# Altium PCB PM12_CFD.PcbDoc (part 11 of 12) (continued)
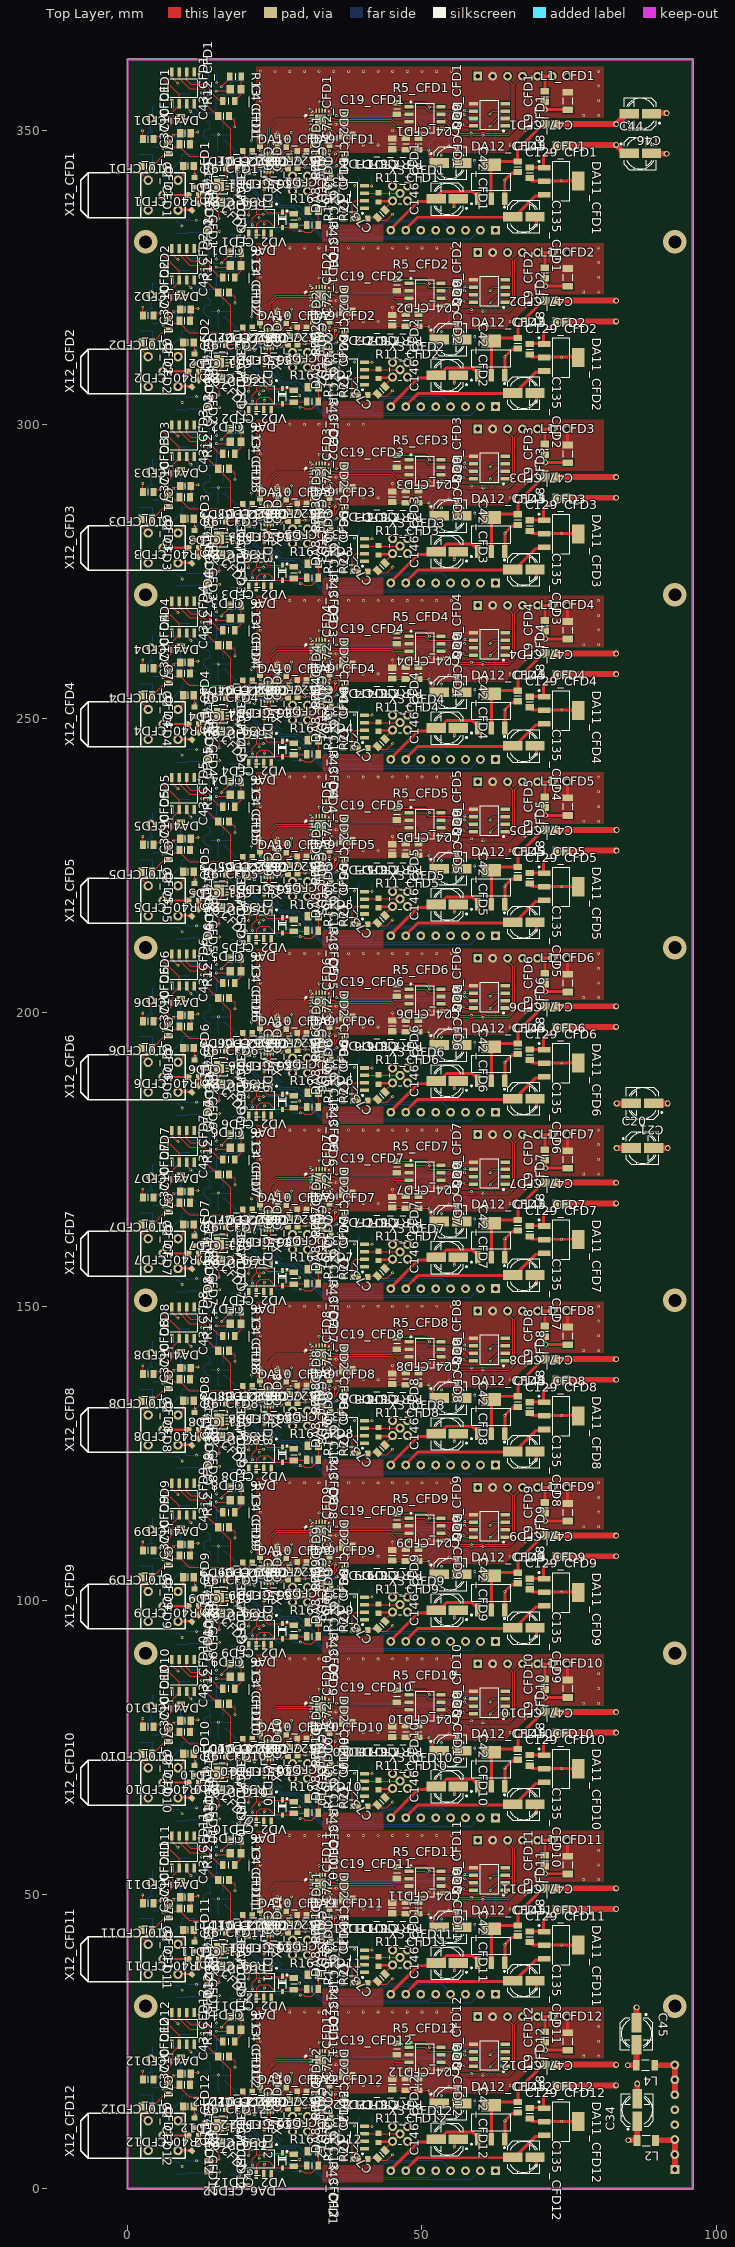
[diagram p0: Top Layer view]
## Polygon pours and split planes (outlines as drawn) (continued)
GND on Mid-Layer 2 "Mid-Layer 2-No Net 109" (solid, pour order 1160): 18,14.9 9.226,14.9 9.225,14.9 6.826,12.5 6.825,12.5 0.53,12.5 0.53,5.5 18,5.5
GND on Mid-Layer 2 "Mid-Layer 2-No Net 108" (solid, pour order 1161): 218 vertices, not listed, extent 21.6,8.98 33.3,13.8
GND on Mid-Layer 2 "Mid-Layer 2-No Net 103" (solid, pour order 1166): 218 vertices, not listed, extent 21.6,38.98 33.3,43.8
GND on Mid-Layer 2 "Mid-Layer 2-No Net 104" (solid, pour order 1165): 18,44.9 9.226,44.9 9.225,44.9 6.826,42.5 6.825,42.5 0.53,42.5 0.53,35.5 18,35.5
GND on Mid-Layer 2 "Mid-Layer 2-No Net 99" (solid, pour order 1170): 18,74.9 9.226,74.9 9.225,74.9 6.826,72.5 6.825,72.5 0.53,72.5 0.53,65.5 18,65.5
GND on Mid-Layer 2 "Mid-Layer 2-No Net 98" (solid, pour order 1171): 218 vertices, not listed, extent 21.6,68.98 33.3,73.8
GND on Mid-Layer 2 "Mid-Layer 2-No Net 93" (solid, pour order 1176): 218 vertices, not listed, extent 21.6,98.98 33.3,103.8
GND on Mid-Layer 2 "Mid-Layer 2-No Net 94" (solid, pour order 1175): 18,104.9 9.226,104.9 9.225,104.9 6.826,102.5 6.825,102.5 0.53,102.5 0.53,95.5 18,95.5
GND on Mid-Layer 2 "Mid-Layer 2-No Net 89" (solid, pour order 1180): 18,134.9 9.226,134.9 9.225,134.9 6.826,132.5 6.825,132.5 0.53,132.5 0.53,125.5 18,125.5
GND on Mid-Layer 2 "Mid-Layer 2-No Net 88" (solid, pour order 1181): 218 vertices, not listed, extent 21.6,128.98 33.3,133.8
GND on Mid-Layer 2 "Mid-Layer 2-No Net 83" (solid, pour order 1186): 218 vertices, not listed, extent 21.6,158.98 33.3,163.8
GND on Mid-Layer 2 "Mid-Layer 2-No Net 84" (solid, pour order 1185): 18,164.94 9.226,164.94 9.225,164.94 6.826,162.54 6.825,162.54 3.312,162.54 3.2,162.518 3.087,162.54 0.53,162.54 0.53,155.54 18,155.54
GND on Mid-Layer 2 "Mid-Layer 2-No Net 79" (solid, pour order 1190): 18,194.9 9.226,194.9 9.225,194.9 6.826,192.5 6.825,192.5 0.53,192.5 0.53,185.5 18,185.5
GND on Mid-Layer 2 "Mid-Layer 2-No Net 78" (solid, pour order 1191): 218 vertices, not listed, extent 21.6,188.98 33.3,193.8
GND on Mid-Layer 2 "Mid-Layer 2-No Net 74" (solid, pour order 1195): 18,224.9 9.226,224.9 9.225,224.9 6.826,222.5 6.825,222.5 0.53,222.5 0.53,215.5 18,215.5
GND on Mid-Layer 2 "Mid-Layer 2-No Net 73" (solid, pour order 1196): 218 vertices, not listed, extent 21.6,218.98 33.3,223.8
GND on Mid-Layer 2 "Mid-Layer 2-No Net 69" (solid, pour order 1200): 18,254.9 9.226,254.9 9.225,254.9 6.826,252.5 6.825,252.5 0.53,252.5 0.53,245.5 18,245.5
GND on Mid-Layer 2 "Mid-Layer 2-No Net 68" (solid, pour order 1201): 122 vertices, not listed, extent 21.6,249.23 33.3,253.8
GND on Mid-Layer 2 "Mid-Layer 2-No Net 54" (solid, pour order 1268): 17.97,344.9 9.196,344.9 9.195,344.9 6.796,342.5 6.795,342.5 0.5,342.5 0.5,335.5 17.97,335.5
GND on Mid-Layer 2 "Mid-Layer 2-No Net 53" (solid, pour order 1267): 122 vertices, not listed, extent 21.57,339.23 33.27,343.8
DA10_LE_CFD1 on Mid-Layer 2 "Mid-Layer 2-No Net 51" (solid, pour order 1216): 319 vertices, not listed, extent 27.46,345.76 35.51,346.64
P1V3_CFD1 on Mid-Layer 2 "Mid-Layer 2-No Net 52" (solid, pour order 1215): 448 vertices, not listed, extent 25.81,343.96 36.14,347.05
P1V3_CFD2 on Mid-Layer 2 "Mid-Layer 2-No Net 57" (solid, pour order 1212): 448 vertices, not listed, extent 25.84,313.96 36.17,317.05
GND on Mid-Layer 2 "Mid-Layer 2-No Net 59" (solid, pour order 1210): 18,314.9 9.226,314.9 9.225,314.9 6.826,312.5 6.825,312.5 0.53,312.5 0.53,305.5 18,305.5
GND on Mid-Layer 2 "Mid-Layer 2-No Net 63" (solid, pour order 1206): 122 vertices, not listed, extent 21.6,279.23 33.3,283.8
GND on Mid-Layer 2 "Mid-Layer 2-No Net 64" (solid, pour order 1205): 18,284.9 9.226,284.9 9.225,284.9 6.826,282.5 6.825,282.5 0.53,282.5 0.53,275.5 18,275.5
P1V3_CFD5 on Mid-Layer 2 "Mid-Layer 2-No Net 72" (solid, pour order 1197): 448 vertices, not listed, extent 25.84,223.96 36.17,227.05
DA8_CFD1_N on Mid-Layer 2 "Mid-Layer 2-No Net 55" (solid, pour order 1214): 274 vertices, not listed, extent 44.73,332.4 63.07,335.94
DA8_CFD4_N on Mid-Layer 2 "Mid-Layer 2-No Net 70" (solid, pour order 1199): 186 vertices, not listed, extent 44.76,242.4 63.1,245.94
P3V3_CFD11 on Mid-Layer 3 "Mid-Layer 3-No Net 1522" (solid, pour order 1307): 675 vertices, not listed, extent 21.875,31.225 80.775,60.975
P3V3_CFD2 on Mid-Layer 3 "Mid-Layer 3-No Net 1531" (solid, pour order 1298): 438 vertices, not listed, extent 21.875,301.225 80.775,330.975
P5V0_CFD2 on Mid-Layer 3 "Mid-Layer 3-No Net 1542" (solid, pour order 1287): 1687 vertices, not listed, extent 0.5,301.225 48.375,330.975
P3V3_CFD4 on Mid-Layer 3 "Mid-Layer 3-No Net 1529" (solid, pour order 1300): 693 vertices, not listed, extent 21.875,241.225 80.775,270.975
P5V0_CFD12 on Mid-Layer 3 "Mid-Layer 3-No Net 1532" (solid, pour order 1297): 1585 vertices, not listed, extent 0.5,1.225 48.375,30.975
GND on Mid-Layer 3 "Mid-Layer 3-No Net 1544" (solid, pour order 1285): 122 vertices, not listed, extent 0.5,5.6 17.9,14.8
P3V3_CFD12 on Mid-Layer 3 "Mid-Layer 3-No Net 1521" (solid, pour order 1308): 675 vertices, not listed, extent 21.875,1.225 80.775,30.975
P5V0_CFD11 on Mid-Layer 3 "Mid-Layer 3-No Net 1533" (solid, pour order 1296): 1582 vertices, not listed, extent 0.5,31.225 48.375,60.975
GND on Mid-Layer 3 "Mid-Layer 3-No Net 1545" (solid, pour order 1284): 122 vertices, not listed, extent 0.5,35.6 17.9,44.8
P5V0_CFD10 on Mid-Layer 3 "Mid-Layer 3-No Net 1534" (solid, pour order 1295): 1586 vertices, not listed, extent 0.5,61.225 48.375,90.975
GND on Mid-Layer 3 "Mid-Layer 3-No Net 1546" (solid, pour order 1283): 122 vertices, not listed, extent 0.5,65.6 17.9,74.8
P3V3_CFD10 on Mid-Layer 3 "Mid-Layer 3-No Net 1523" (solid, pour order 1306): 693 vertices, not listed, extent 21.875,61.225 80.775,90.975
P3V3_CFD9 on Mid-Layer 3 "Mid-Layer 3-No Net 1524" (solid, pour order 1305): 675 vertices, not listed, extent 21.875,91.225 80.775,120.975
P5V0_CFD9 on Mid-Layer 3 "Mid-Layer 3-No Net 1535" (solid, pour order 1294): 1582 vertices, not listed, extent 0.5,91.225 48.375,120.975
GND on Mid-Layer 3 "Mid-Layer 3-No Net 1547" (solid, pour order 1282): 122 vertices, not listed, extent 0.5,95.6 17.9,104.8
P5V0_CFD8 on Mid-Layer 3 "Mid-Layer 3-No Net 1536" (solid, pour order 1293): 1586 vertices, not listed, extent 0.5,121.225 48.375,150.975
GND on Mid-Layer 3 "Mid-Layer 3-No Net 1548" (solid, pour order 1281): 122 vertices, not listed, extent 0.5,125.6 17.9,134.8
P3V3_CFD8 on Mid-Layer 3 "Mid-Layer 3-No Net 1525" (solid, pour order 1304): 675 vertices, not listed, extent 21.875,121.225 80.775,150.975
P3V3_CFD7 on Mid-Layer 3 "Mid-Layer 3-No Net 1526" (solid, pour order 1303): 676 vertices, not listed, extent 21.875,151.225 80.775,180.975
P5V0_CFD7 on Mid-Layer 3 "Mid-Layer 3-No Net 1537" (solid, pour order 1292): 1544 vertices, not listed, extent 0.5,151.225 48.375,180.975
GND on Mid-Layer 3 "Mid-Layer 3-No Net 1549" (solid, pour order 1280): 122 vertices, not listed, extent 0.5,155.64 17.9,164.84
P5V0_CFD6 on Mid-Layer 3 "Mid-Layer 3-No Net 1538" (solid, pour order 1291): 1586 vertices, not listed, extent 0.5,181.225 48.375,210.975
GND on Mid-Layer 3 "Mid-Layer 3-No Net 1550" (solid, pour order 1279): 122 vertices, not listed, extent 0.5,185.6 17.9,194.8
P3V3_CFD6 on Mid-Layer 3 "Mid-Layer 3-No Net 1527" (solid, pour order 1302): 675 vertices, not listed, extent 21.875,181.225 80.775,210.975
P3V3_CFD5 on Mid-Layer 3 "Mid-Layer 3-No Net 1528" (solid, pour order 1301): 675 vertices, not listed, extent 21.875,211.225 80.775,240.975
P5V0_CFD5 on Mid-Layer 3 "Mid-Layer 3-No Net 1539" (solid, pour order 1290): 1582 vertices, not listed, extent 0.5,211.225 48.375,240.975
GND on Mid-Layer 3 "Mid-Layer 3-No Net 1551" (solid, pour order 1278): 122 vertices, not listed, extent 0.5,215.6 17.9,224.8
GND on Mid-Layer 3 "Mid-Layer 3-No Net 1552" (solid, pour order 1277): 122 vertices, not listed, extent 0.5,245.6 17.9,254.8
P5V0_CFD4 on Mid-Layer 3 "Mid-Layer 3-No Net 1540" (solid, pour order 1289): 1587 vertices, not listed, extent 0.5,241.225 48.375,270.975
P5V5 on Mid-Layer 3 "Mid-Layer 3-No Net 1519" (solid, pour order 1310): 119 vertices, not listed, extent 81.025,0.5 95.5,361.5
P3V3_CFD1 on Mid-Layer 3 "Mid-Layer 3-No Net 1520" (solid, pour order 1309): 470 vertices, not listed, extent 0.5,331.225 80.775,361.5
P3V3_CFD3 on Mid-Layer 3 "Mid-Layer 3-No Net 1530" (solid, pour order 1299): 420 vertices, not listed, extent 21.875,271.225 80.775,300.975
P5V0_CFD3 on Mid-Layer 3 "Mid-Layer 3-No Net 1541" (solid, pour order 1288): 1686 vertices, not listed, extent 0.5,271.225 48.375,300.975
P5V0_CFD1 on Mid-Layer 3 "Mid-Layer 3-No Net 1543" (solid, pour order 1286): 1703 vertices, not listed, extent 0.5,331.225 48.375,360.775
GND on Mid-Layer 3 "Mid-Layer 3-No Net 1553" (solid, pour order 1276): 122 vertices, not listed, extent 0.5,275.6 17.9,284.8
GND on Mid-Layer 3 "Mid-Layer 3-No Net 1554" (solid, pour order 1275): 122 vertices, not listed, extent 0.5,305.6 17.9,314.8
GND on Mid-Layer 3 "Mid-Layer 3-No Net 1555" (solid, pour order 1274): 122 vertices, not listed, extent 0.5,335.6 17.87,344.8
no net on Mid-Layer 3 "Mid-Layer 3-No Net 1556" (solid, pour order 1273): 109 vertices, not listed, extent 0.5,0.5 80.775,0.975
P1V3_CFD11 on Mid-Layer 4 "Mid-Layer 4-No Net 1452" (solid, pour order 2857): 725 vertices, not listed, extent 26.725,31.225 60.622,60.975
GND on Mid-Layer 4 "Mid-Layer 4-No Net 1438" (solid, pour order 2871): 264 vertices, not listed, extent 0.5,0.5 80.775,361.5
N5V0_CFD2 on Mid-Layer 4 "Mid-Layer 4-No Net 1450" (solid, pour order 2859): 1056 vertices, not listed, extent 0.5,301.225 48.375,330.975
P1V3_CFD2 on Mid-Layer 4 "Mid-Layer 4-No Net 1461" (solid, pour order 2848): 710 vertices, not listed, extent 26.725,301.225 60.622,330.975
N5V0_CFD12 on Mid-Layer 4 "Mid-Layer 4-No Net 1440" (solid, pour order 2869): 1056 vertices, not listed, extent 0.5,1.225 48.375,30.975
GND on Mid-Layer 4 "Mid-Layer 4-No Net 1464" (solid, pour order 2845): 122 vertices, not listed, extent 0.5,5.6 17.9,14.8
P1V3_CFD12 on Mid-Layer 4 "Mid-Layer 4-No Net 1462" (solid, pour order 2847): 700 vertices, not listed, extent 26.725,1.225 60.573,30.975
N5V0_CFD11 on Mid-Layer 4 "Mid-Layer 4-No Net 1441" (solid, pour order 2868): 1052 vertices, not listed, extent 0.5,31.225 48.375,60.975
GND on Mid-Layer 4 "Mid-Layer 4-No Net 1465" (solid, pour order 2844): 122 vertices, not listed, extent 0.5,35.6 17.9,44.8
N5V0_CFD10 on Mid-Layer 4 "Mid-Layer 4-No Net 1442" (solid, pour order 2867): 1056 vertices, not listed, extent 0.5,61.225 48.375,90.975
GND on Mid-Layer 4 "Mid-Layer 4-No Net 1466" (solid, pour order 2843): 122 vertices, not listed, extent 0.5,65.6 17.9,74.8
P1V3_CFD10 on Mid-Layer 4 "$Net177" (solid, pour order 2856): 725 vertices, not listed, extent 26.725,61.225 60.622,90.975
P1V3_CFD9 on Mid-Layer 4 "Mid-Layer 4-No Net 1454" (solid, pour order 2855): 708 vertices, not listed, extent 26.725,91.225 60.622,120.975
N5V0_CFD9 on Mid-Layer 4 "Mid-Layer 4-No Net 1443" (solid, pour order 2866): 1052 vertices, not listed, extent 0.5,91.225 48.375,120.975
GND on Mid-Layer 4 "Mid-Layer 4-No Net 1467" (solid, pour order 2842): 122 vertices, not listed, extent 0.5,95.6 17.9,104.8
N5V0_CFD8 on Mid-Layer 4 "Mid-Layer 4-No Net 1444" (solid, pour order 2865): 1056 vertices, not listed, extent 0.5,121.225 48.375,150.975
GND on Mid-Layer 4 "Mid-Layer 4-No Net 1468" (solid, pour order 2841): 122 vertices, not listed, extent 0.5,125.6 17.9,134.8
P1V3_CFD8 on Mid-Layer 4 "Mid-Layer 4-No Net 1455" (solid, pour order 2854): 708 vertices, not listed, extent 26.725,121.225 60.622,150.975
P1V3_CFD7 on Mid-Layer 4 "Mid-Layer 4-No Net 1456" (solid, pour order 2853): 709 vertices, not listed, extent 26.725,151.225 60.622,180.975
N5V0_CFD7 on Mid-Layer 4 "Mid-Layer 4-No Net 1445" (solid, pour order 2864): 1014 vertices, not listed, extent 0.5,151.225 48.375,180.975
GND on Mid-Layer 4 "Mid-Layer 4-No Net 1469" (solid, pour order 2840): 122 vertices, not listed, extent 0.5,155.64 17.9,164.84
N5V0_CFD6 on Mid-Layer 4 "Mid-Layer 4-No Net 1446" (solid, pour order 2863): 1056 vertices, not listed, extent 0.5,181.225 48.375,210.975
GND on Mid-Layer 4 "Mid-Layer 4-No Net 1470" (solid, pour order 2839): 122 vertices, not listed, extent 0.5,185.6 17.9,194.8
P1V3_CFD6 on Mid-Layer 4 "Mid-Layer 4-No Net 1457" (solid, pour order 2852): 708 vertices, not listed, extent 26.725,181.225 60.622,210.975
N5V0_CFD5 on Mid-Layer 4 "Mid-Layer 4-No Net 1447" (solid, pour order 2862): 1052 vertices, not listed, extent 0.5,211.225 48.375,240.975
P1V3_CFD5 on Mid-Layer 4 "Mid-Layer 4-No Net 1458" (solid, pour order 2851): 708 vertices, not listed, extent 26.725,211.225 60.622,240.975
GND on Mid-Layer 4 "Mid-Layer 4-No Net 1471" (solid, pour order 2838): 122 vertices, not listed, extent 0.5,215.6 17.9,224.8
GND on Mid-Layer 4 "Mid-Layer 4-No Net 1472" (solid, pour order 2837): 122 vertices, not listed, extent 0.5,245.6 17.9,254.8
P1V3_CFD4 on Mid-Layer 4 "Mid-Layer 4-No Net 1459" (solid, pour order 2850): 708 vertices, not listed, extent 26.725,241.225 60.622,270.975
N5V0_CFD4 on Mid-Layer 4 "Mid-Layer 4-No Net 1448" (solid, pour order 2861): 1056 vertices, not listed, extent 0.5,241.225 48.375,270.975
N5V5 on Mid-Layer 4 "Mid-Layer 4-No Net 1439" (solid, pour order 2870): 107 vertices, not listed, extent 81.025,0.5 95.5,361.5
N5V0_CFD3 on Mid-Layer 4 "Mid-Layer 4-No Net 1449" (solid, pour order 2860): 1052 vertices, not listed, extent 0.5,271.225 48.375,300.975
N5V0_CFD1 on Mid-Layer 4 "Mid-Layer 4-No Net 1451" (solid, pour order 2858): 1053 vertices, not listed, extent 0.5,331.225 48.375,360.775
P1V3_CFD3 on Mid-Layer 4 "Mid-Layer 4-No Net 1460" (solid, pour order 2849): 709 vertices, not listed, extent 26.725,271.225 60.622,300.975
P1V3_CFD1 on Mid-Layer 4 "Mid-Layer 4-No Net 1463" (solid, pour order 2846): 741 vertices, not listed, extent 26.725,331.225 60.622,360.775
GND on Mid-Layer 4 "Mid-Layer 4-No Net 1473" (solid, pour order 2836): 122 vertices, not listed, extent 0.5,275.6 17.9,284.8
GND on Mid-Layer 4 "Mid-Layer 4-No Net 1474" (solid, pour order 2835): 122 vertices, not listed, extent 0.5,305.6 17.9,314.8
GND on Mid-Layer 4 "Mid-Layer 4-No Net 1475" (solid, pour order 2834): 122 vertices, not listed, extent 0.5,335.6 17.87,344.8

## Keep-outs
Keep-Out Layer:
  lines w0.25: 0,0 0,362 ; 0,0 96,0 ; 0,0 0,362 ; 0,0 96,0 ; 0,362 96,362 ; 0,362 96,362 ; 96,0 96,362 ; 96,0 96,362

## Other copper
Mid-Layer 1:
  pour cut-out: 41.9,9.8 41.9,9 41.6,8.7 41.6,7.2 39,7.2 39,6.3 39.6,6.3 40.1,5.8 40.1,4.2 39.9,4 36.5,4 36.2,4.3 36.2,8.3 36,8.5 33.9,8.5 33.9,9.8
  pour cut-out: 32.4,13.6 32.8,13.6 32.8,12.4 31.1,10.7 29.954,10.7 29.954,11.2 31,11.2 32.4,12.6 32.4,13.6
  pour cut-out: 24,13.6 24.5,13.6 24.5,11.1 24,11.1
  pour cut-out: 13.8,12.3 17.2,12.3 17.2,9.1 13.8,9.1
  pour cut-out: 41.9,39.8 41.9,39 41.6,38.7 41.6,37.2 39,37.2 39,36.3 39.6,36.3 40.1,35.8 40.1,34.2 39.9,34 36.5,34 36.2,34.3 36.2,38.3 36,38.5 33.9,38.5 33.9,39.8
  pour cut-out: 32.4,43.6 32.8,43.6 32.8,42.4 31.1,40.7 29.954,40.7 29.954,41.2 31,41.2 32.4,42.6
  pour cut-out: 24,43.6 24.5,43.6 24.5,41.1 24,41.1
  pour cut-out: 13.8,42.3 17.2,42.3 17.2,39.1 13.8,39.1
  pour cut-out: 41.9,69.8 41.9,69 41.6,68.7 41.6,67.2 39,67.2 39,66.3 39.6,66.3 40.1,65.8 40.1,64.2 39.9,64 36.5,64 36.2,64.3 36.2,68.3 36,68.5 33.9,68.5 33.9,69.8
  pour cut-out: 32.4,73.6 32.8,73.6 32.8,72.4 31.1,70.7 29.954,70.7 29.954,71.2 31,71.2 32.4,72.6
  pour cut-out: 24,73.6 24.5,73.6 24.5,71.1 24,71.1
  pour cut-out: 17.2,69.1 17.2,72.3 13.8,72.3 13.8,69.1
  pour cut-out: 41.9,99.8 41.9,99 41.6,98.7 41.6,97.2 39,97.2 39,96.3 39.6,96.3 40.1,95.8 40.1,94.2 39.9,94 36.5,94 36.2,94.3 36.2,98.3 36,98.5 33.9,98.5 33.9,99.8
  pour cut-out: 32.4,103.6 32.8,103.6 32.8,102.4 31.1,100.7 29.954,100.7 29.954,101.2 31,101.2 32.4,102.6
  pour cut-out: 24,103.6 24.5,103.6 24.5,101.1 24,101.1
  pour cut-out: 13.8,102.3 17.2,102.3 17.2,99.1 13.8,99.1
  pour cut-out: 33.9,129.8 41.9,129.8 41.9,129 41.6,128.7 41.6,127.2 39,127.2 39,126.3 39.6,126.3 40.1,125.8 40.1,124.2 39.9,124 36.5,124 36.2,124.3 36.2,128.3 36,128.5 33.9,128.5
  pour cut-out: 32.4,133.6 32.8,133.6 32.8,132.4 31.1,130.7 29.961,130.7 29.954,130.693 29.954,131.2 31,131.2 32.4,132.6 32.4,133.6
  pour cut-out: 24,133.6 24.5,133.6 24.5,131.1 24,131.1
  pour cut-out: 13.8,132.3 17.2,132.3 17.2,129.1 13.8,129.1
  pour cut-out: 33.9,159.8 41.9,159.8 41.9,159 41.6,158.7 41.6,157.2 39,157.2 39,156.3 39.6,156.3 40.1,155.8 40.1,154.2 39.9,154 36.5,154 36.2,154.3 36.2,158.3 36,158.5 33.9,158.5
  pour cut-out: 32.4,163.6 32.8,163.6 32.8,162.4 31.1,160.7 29.958,160.7 29.954,160.696 29.954,161.2 31,161.2 32.4,162.6 32.4,163.6
  pour cut-out: 24,163.6 24.5,163.6 24.5,161.1 24,161.1
  pour cut-out: 13.8,162.3 17.2,162.3 17.2,159.1 13.8,159.1
  pour cut-out: 41.9,189.8 41.9,189 41.6,188.7 41.6,187.2 39,187.2 39,186.3 39.6,186.3 40.1,185.8 40.1,184.2 39.9,184 36.5,184 36.2,184.3 36.2,188.3 36,188.5 33.9,188.5 33.9,189.8
  pour cut-out: 32.4,193.6 32.8,193.6 32.8,192.4 31.1,190.7 29.958,190.7 29.954,190.696 29.954,191.2 31,191.2 32.4,192.6
  pour cut-out: 24,193.6 24.5,193.6 24.5,191.1 24,191.1
  pour cut-out: 13.8,192.3 17.2,192.3 17.2,189.1 13.8,189.1
  pour cut-out: 33.9,219.8 41.9,219.8 41.9,219 41.6,218.7 41.6,217.2 39,217.2 39,216.3 39.6,216.3 40.1,215.8 40.1,214.2 39.9,214 36.5,214 36.2,214.3 36.2,218.3 36,218.5 33.9,218.5
  pour cut-out: 32.4,223.6 32.8,223.6 32.8,222.4 31.1,220.7 29.954,220.7 29.954,221.2 31,221.2 32.4,222.6
  pour cut-out: 24,223.6 24.5,223.6 24.5,221.1 24,221.1
  pour cut-out: 13.8,222.3 17.2,222.3 17.2,219.1 13.8,219.1
  pour cut-out: 33.9,249.8 41.9,249.8 41.9,249 41.6,248.7 41.6,247.2 39,247.2 39,246.3 39.6,246.3 40.1,245.8 40.1,244.2 39.9,244 36.5,244 36.2,244.3 36.2,248.3 36,248.5 33.9,248.5
  pour cut-out: 32.4,253.6 32.8,253.6 32.8,252.4 31.1,250.7 29.954,250.7 29.954,251.2 31,251.2 32.4,252.6 32.4,253.6
  pour cut-out: 24,253.6 24.5,253.6 24.5,251.1 24,251.1
  pour cut-out: 13.8,252.3 17.2,252.3 17.2,249.1 13.8,249.1
  pour cut-out: 33.9,279.8 41.9,279.8 41.9,279 41.6,278.7 41.6,277.2 39,277.2 39,276.3 39.6,276.3 40.1,275.8 40.1,274.2 39.9,274 36.5,274 36.2,274.3 36.2,278.3 36,278.5 33.9,278.5
  pour cut-out: 32.4,283.6 32.8,283.6 32.8,282.4 31.1,280.7 29.954,280.7 29.954,281.2 31,281.2 32.4,282.6
  pour cut-out: 24,283.6 24.5,283.6 24.5,281.1 24,281.1
  pour cut-out: 13.8,282.3 17.2,282.3 17.2,279.1 13.8,279.1
  pour cut-out: 33.9,309.8 41.9,309.8 41.9,309 41.6,308.7 41.6,307.2 39,307.2 39,306.3 39.6,306.3 40.1,305.8 40.1,304.2 39.9,304 36.5,304 36.2,304.3 36.2,308.3 36,308.5 33.9,308.5
  pour cut-out: 29.954,311.2 29.954,310.7 31.1,310.7 32.8,312.4 32.8,313.6 32.4,313.6 32.4,312.6 31,311.2 29.954,311.2
  pour cut-out: 24,313.6 24.5,313.6 24.5,311.1 24,311.1
  pour cut-out: 13.8,312.3 17.2,312.3 17.2,309.1 13.8,309.1
  pour cut-out: 33.9,339.8 33.9,338.5 36,338.5 36.2,338.3 36.2,334.3 36.5,334 39.9,334 40.1,334.2 40.1,335.8 39.6,336.3 39,336.3 39,337.2 41.6,337.2 41.6,338.7 41.9,339 41.9,339.8 41.881,339.819 33.881,339.819
  pour cut-out: 29.924,341.2 31,341.2 32.4,342.6 32.4,343.6 32.8,343.6 32.8,342.4 31.1,340.7 29.924,340.7 29.924,341.2 30.462,341.2
  pour cut-out: 24,343.6 24.5,343.6 24.5,341.1 24,341.1
  pour cut-out: 13.8,342.3 17.2,342.3 17.2,339.1 13.8,339.1
Mid-Layer 2:
  pour cut-out: 13.751,12.3 17.151,12.3 17.151,9.1 13.751,9.1
  pour cut-out: 13.8,42.3 17.2,42.3 17.2,39.1 13.8,39.1
  pour cut-out: 13.8,72.3 17.2,72.3 17.2,69.1 13.8,69.1
  pour cut-out: 13.8,102.3 17.2,102.3 17.2,99.1 13.8,99.1
  pour cut-out: 13.8,132.3 17.2,132.3 17.2,129.1 13.8,129.1
  pour cut-out: 15.5,162.3 17.2,162.3 17.2,159.1 13.8,159.1 13.8,162.3
  pour cut-out: 13.8,192.3 17.2,192.3 17.2,189.1 13.8,189.1
  pour cut-out: 13.8,222.3 17.2,222.3 17.2,219.1 13.8,219.1
  pour cut-out: 13.8,252.3 17.2,252.3 17.2,249.1 13.8,249.1
  pour cut-out: 13.8,282.3 17.2,282.3 17.2,279.1 13.8,279.1
  pour cut-out: 13.8,312.3 17.2,312.3 17.2,309.1 13.8,309.1
  pour cut-out: 13.8,342.3 17.2,342.3 17.2,339.1 13.8,339.1 13.8,342.272 13.773,342.3
Mid-Layer 3:
  pour cut-out: 13.8,102.3 17.2,102.3 17.2,99.1 13.8,99.1
  pour cut-out: 41.9,9.8 41.9,9 41.6,8.7 41.6,7.2 39,7.2 39,6.3 39.6,6.3 40.1,5.8 40.1,4.2 39.9,4 36.5,4 36.2,4.3 36.2,8.3 36,8.5 33.9,8.5 33.9,9.8
  pour cut-out: 47.042,11 48.038,10.004 48.038,8.52 47.08,7.562 47.08,7.5 45.52,7.5 44.53,8.49 44.53,10.05 45.48,11 45.558,11
  pour cut-out: 29.3,12.68 30.042,12.68 31.03,11.692 31.03,10.208 30.08,9.258 30.08,9.18 28.52,9.18 27.53,10.17 27.53,11.73 28.48,12.68 29.3,12.68
  pour cut-out: 13.8,12.3 17.2,12.3 17.2,9.1 13.8,9.1
  pour cut-out: 41.9,39.8 41.9,39 41.6,38.7 41.6,37.2 39,37.2 39,36.3 39.6,36.3 40.1,35.8 40.1,34.2 39.9,34 36.5,34 36.2,34.3 36.2,38.3 36,38.5 33.9,38.5 33.9,39.8
  pour cut-out: 46.3,41 47.042,41 48.03,40.012 48.03,38.45 47.08,37.5 45.52,37.5 44.53,38.49 44.53,40.05 44.608,40.05 45.558,41
  pour cut-out: 29.3,42.68 30.042,42.68 31.03,41.692 31.03,40.208 30.08,39.258 30.08,39.18 28.52,39.18 27.53,40.17 27.53,41.73 28.48,42.68 29.3,42.68
  pour cut-out: 13.8,42.3 13.8,39.1 17.2,39.1 17.2,42.3
  pour cut-out: 41.9,69.8 41.9,69 41.6,68.7 41.6,67.2 39,67.2 39,66.3 39.6,66.3 40.1,65.8 40.1,64.2 39.9,64 36.5,64 36.2,64.3 36.2,68.3 36,68.5 33.9,68.5 33.9,69.8
  pour cut-out: 46.3,71 47.042,71 48.03,70.012 48.03,68.45 47.08,67.5 45.52,67.5 44.53,68.49 44.53,70.05 44.608,70.05 45.558,71
  pour cut-out: 30.042,72.68 31.03,71.692 31.03,70.208 30.08,69.258 30.08,69.18 28.52,69.18 27.53,70.17 27.53,71.73 28.48,72.68 28.558,72.68
  pour cut-out: 13.8,72.3 17.2,72.3 17.2,69.1 13.8,69.1
  pour cut-out: 41.9,99.8 41.9,99 41.6,98.7 41.6,97.2 39,97.2 39,96.3 39.6,96.3 40.1,95.8 40.1,94.2 39.9,94 36.5,94 36.2,94.3 36.2,98.3 36,98.5 33.9,98.5 33.9,99.8
  pour cut-out: 46.3,101 47.042,101 48.03,100.012 48.03,98.45 47.08,97.5 45.52,97.5 44.53,98.49 44.53,100.05 44.608,100.05 45.558,101
  pour cut-out: 30.042,102.68 31.03,101.692 31.03,100.208 30.08,99.258 30.08,99.18 28.52,99.18 27.53,100.17 27.53,101.73 28.48,102.68 28.558,102.68
  pour cut-out: 33.9,129.8 41.9,129.8 41.9,129 41.6,128.7 41.6,127.2 39,127.2 39,126.3 39.6,126.3 40.1,125.8 40.1,124.2 39.9,124 36.5,124 36.2,124.3 36.2,128.3 36,128.5 33.9,128.5
  pour cut-out: 47.042,131 48.03,130.013 48.03,128.45 47.08,127.5 45.52,127.5 44.53,128.49 44.53,130.05 44.608,130.05 45.558,131
  pour cut-out: 29.3,132.68 30.042,132.68 31.03,131.692 31.03,130.13 30.08,129.18 28.52,129.18 27.53,130.17 27.53,131.73 27.608,131.73 28.558,132.68
  pour cut-out: 13.8,132.3 13.8,129.1 17.2,129.1 17.2,132.3
  pour cut-out: 33.9,159.8 41.9,159.8 41.9,159 41.6,158.7 41.6,157.2 39,157.2 39,156.3 39.6,156.3 40.1,155.8 40.1,154.2 39.9,154 36.5,154 36.2,154.3 36.2,158.3 36,158.5 33.9,158.5
  pour cut-out: 47.042,161 48.03,160.012 48.03,158.528 47.08,157.578 47.08,157.5 45.52,157.5 44.53,158.49 44.53,160.05 45.48,161 45.558,161
  pour cut-out: 29.3,162.68 30.042,162.68 31.03,161.692 31.03,160.13 30.08,159.18 28.52,159.18 27.53,160.17 27.53,161.73 27.608,161.73 28.558,162.68
  pour cut-out: 13.8,162.3 17.2,162.3 17.2,159.1 13.8,159.1
  pour cut-out: 41.9,189.8 41.9,189 41.6,188.7 41.6,187.2 39,187.2 39,186.3 39.6,186.3 40.1,185.8 40.1,184.2 39.9,184 36.5,184 36.2,184.3 36.2,188.3 36,188.5 33.9,188.5 33.9,189.8
  pour cut-out: 46.3,191 47.042,191 48.03,190.012 48.03,188.45 47.08,187.5 45.52,187.5 44.53,188.49 44.53,190.05 44.608,190.05 45.558,191
  pour cut-out: 29.3,192.68 30.042,192.68 31.03,191.692 31.03,190.208 30.08,189.258 30.08,189.18 28.52,189.18 27.53,190.17 27.53,191.73 28.48,192.68 29.3,192.68
  pour cut-out: 13.8,192.3 17.2,192.3 17.2,189.1 13.8,189.1
  pour cut-out: 33.9,219.8 41.9,219.8 41.9,219 41.6,218.7 41.6,217.2 39,217.2 39,216.3 39.6,216.3 40.1,215.8 40.1,214.2 39.9,214 36.5,214 36.2,214.3 36.2,218.3 36,218.5 33.9,218.5
  pour cut-out: 46.3,221 47.042,221 48.03,220.012 48.03,218.45 47.077,217.496 45.516,217.496 45.516,217.504 44.53,218.49 44.53,220.05 44.608,220.05 45.558,221
  pour cut-out: 29.3,222.68 30.042,222.68 30.046,222.684 31.03,221.7 31.03,220.208 30.08,219.258 30.08,219.18 28.52,219.18 27.53,220.17 27.53,221.73 27.526,221.734 28.473,222.68 29.3,222.68
  pour cut-out: 13.8,222.3 17.2,222.3 17.2,219.1 13.8,219.1
  pour cut-out: 33.9,249.8 41.9,249.8 41.9,249 41.6,248.7 41.6,247.2 39,247.2 39,246.3 39.6,246.3 40.1,245.8 40.1,244.2 39.9,244 36.5,244 36.2,244.3 36.2,248.3 36,248.5 33.9,248.5
  pour cut-out: 46.3,251 47.042,251 48.03,250.012 48.03,248.45 47.08,247.5 45.52,247.5 44.53,248.49 44.53,250.05 44.608,250.05 45.558,251
  pour cut-out: 30.041,252.68 30.05,252.688 31.03,251.708 31.03,250.208 30.08,249.258 30.08,249.18 28.52,249.18 27.53,250.17 27.53,251.73 28.48,252.68 28.558,252.68
  pour cut-out: 13.8,252.3 17.2,252.3 17.2,249.1 13.8,249.1
  pour cut-out: 33.9,279.8 41.9,279.8 41.9,279 41.6,278.7 41.6,277.2 39,277.2 39,276.3 39.6,276.3 40.1,275.8 40.1,274.2 39.9,274 36.5,274 36.2,274.3 36.2,278.3 36,278.5 33.9,278.5
  pour cut-out: 47.042,281 48.03,280.012 48.03,278.528 47.08,277.578 47.08,277.5 45.52,277.5 44.53,278.49 44.53,280.05 45.48,281 45.558,281
  pour cut-out: 30.043,282.68 31.034,281.688 31.034,280.134 30.08,279.18 28.52,279.18 27.53,280.17 27.53,281.73 27.608,281.73 28.558,282.68
  pour cut-out: 13.8,282.3 17.2,282.3 17.2,279.1 13.8,279.1
  pour cut-out: 47.042,311 48.03,310.012 48.03,308.45 47.08,307.5 45.485,307.5 44.513,308.472 44.53,308.488 44.53,310.05 45.48,311 45.558,311
  pour cut-out: 33.9,309.8 41.9,309.8 41.9,309 41.6,308.7 41.6,307.2 39,307.2 39,306.3 39.6,306.3 40.1,305.8 40.1,304.2 39.9,304 36.5,304 36.2,304.3 36.2,308.3 36,308.5 33.9,308.5
  pour cut-out: 28.558,312.68 30.042,312.68 31.03,311.692 31.03,310.13 30.078,309.178 28.518,309.178 28.518,309.182 27.53,310.17 27.53,311.73 27.608,311.73
  pour cut-out: 13.8,312.3 17.2,312.3 17.2,309.1 13.8,309.1
  pour cut-out: 47.012,341 48,340.012 48,338.528 47.05,337.578 47.05,337.5 45.49,337.5 44.5,338.49 44.5,340.05 45.45,341 45.528,341
  pour cut-out: 33.9,339.8 33.9,338.5 36,338.5 36.2,338.3 36.2,334.3 36.5,334 39.9,334 40.1,334.2 40.1,335.8 39.6,336.3 39,336.3 39,337.2 41.6,337.2 41.6,338.7 41.9,339 41.9,339.8 41.881,339.819 33.881,339.819
  pour cut-out: 29.27,342.68 30.012,342.68 31,341.692 31,340.13 30.046,339.176 28.486,339.176 28.486,339.183 27.5,340.17 27.5,341.73 27.578,341.73 28.528,342.68
  pour cut-out: 13.8,342.3 17.2,342.3 17.2,339.1 13.8,339.1